# Altium PCB Main_Board.PcbDoc (part 18 of 19) (continued)
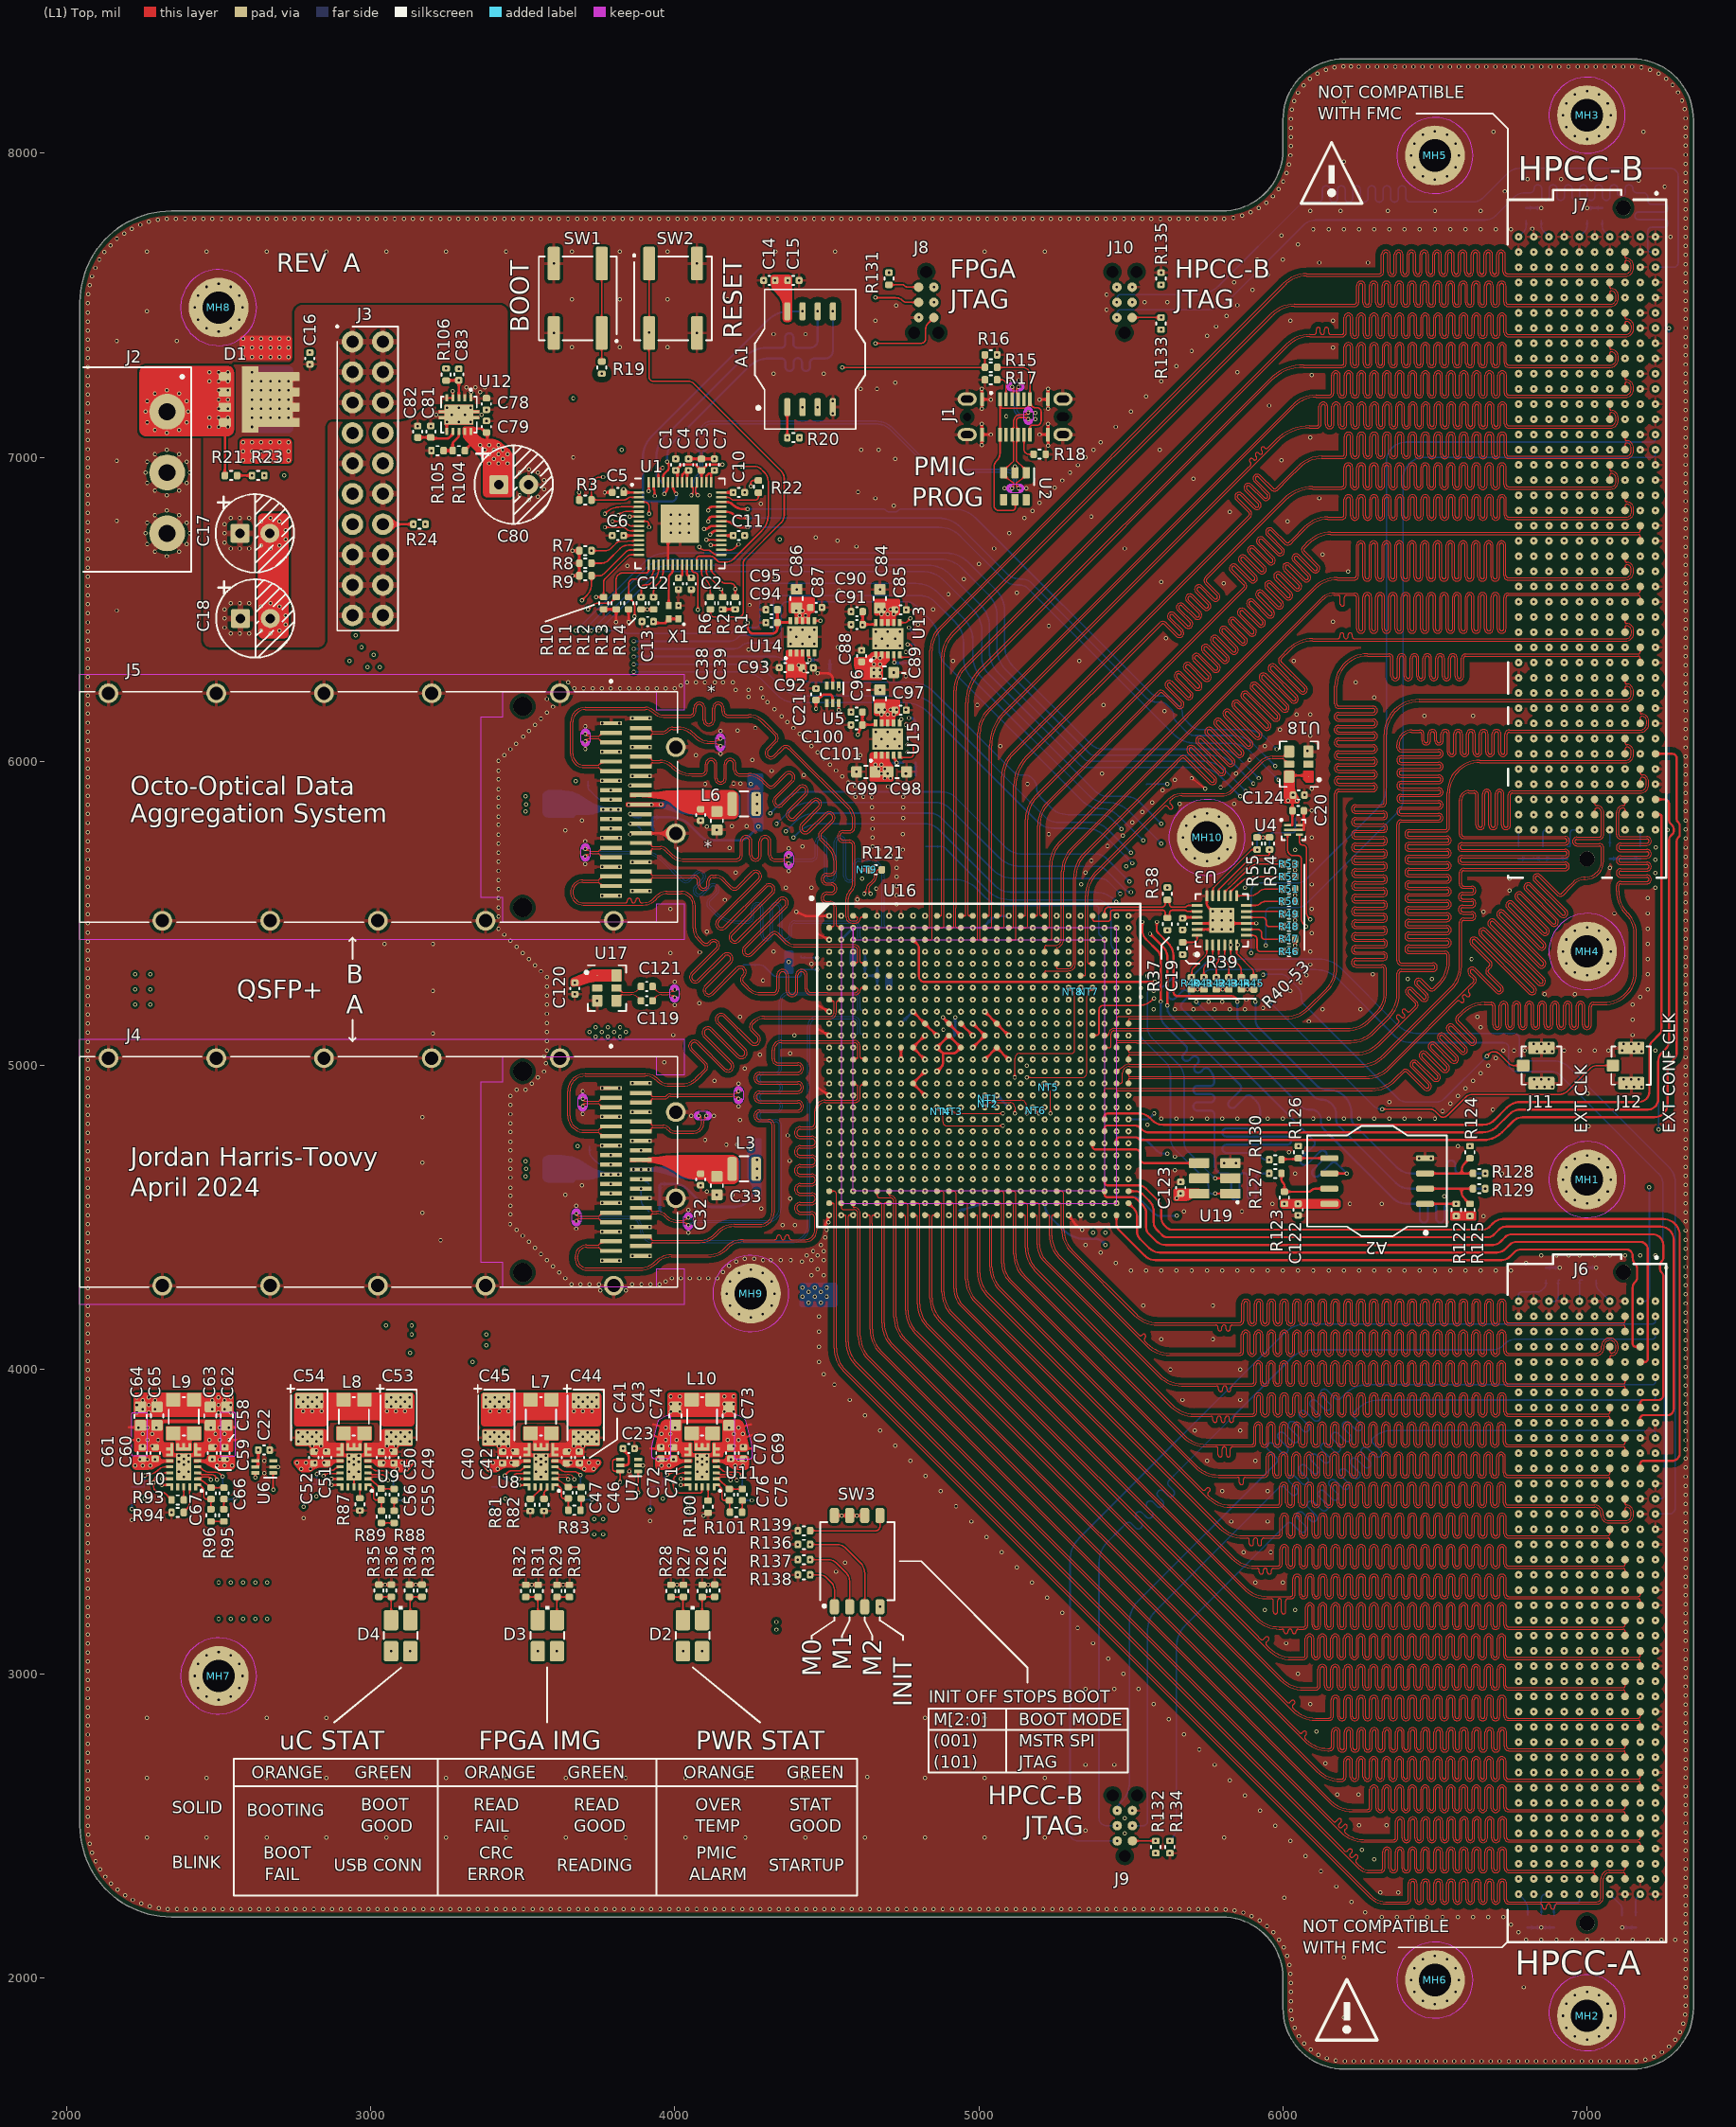
[diagram p0: (L1) Top view]
## Nets (pads, with @x,y where several pads share a name; then routed paths per layer and width w, separated by ;. In a path a pad name is that pad's centre, name@x,y a point inside that pad or via, vN(x,y) a via of type N, cw(c..) or ccw(c..) an arc to the next point about the centre after c; other vN are vias at no path point) (continued)
  (L1) Top w4: v1(3035.49,3635.89) ccw(c3024.83,3635.89) 3024.83,3646.55 3006.07,3646.55 ccw(c3006.07,3640.12) 3001.53,3644.67 ccw(c3002.65,3643.55) 3001.07,3643.55 2999.61,3642.09 cw(c2996.08,3645.62) 2996.08,3640.63 U9.2@2991.26,3640.63 3001.07,3637.71 3028.04,3614.3 C56.2@3034.73,3608.79 ccw(c3035.73,3608.79) 3035.73,3607.79 C55.2@3077.15,3607.79
  (L5) Inner 4 w3.5: v1(4045,3533) cw(c4064.8,3513.2) 4064.8,3541.2 4328.58,3541.2 ccw(c4328.58,3650) 4405.51,3573.07 5091.07,4258.62 ccw(c5014.13,4335.55) 5122.93,4335.55 5122.93,4573.55 ccw(c5121.48,4573.55) 5121.48,4575 5121.48,4746.25 ccw(c5100.28,4746.25) 5100.28,4767.45 5091.55,4767.45 cw(c5091.55,4780) 5079,4780 v1(5079,4802)
  (L8) Inner 7 w3.5: 3088,3045 4130,3045 ccw(c4130,3065) 4150,3065 4150,3520 ccw(c4129.9,3520) 4129.9,3540.1 4062.14,3540.1 ccw(c4062.14,3515.86) v1(4045,3533)
  (L8) Inner 7 w4: v1(3035.49,3635.89) ccw(c3021.58,3649.8) 3041.26,3649.8 3041.26,3654.74 ccw(c3031,3654.74) 3031,3665 3023,3665 ccw(c3023,3654) 3012,3654 3012,3072 ccw(c3039,3072) 3039,3045 3088,3045
VSEN_1V8_P: NT3.1 U9.3 | length 4708.5
  (L1) Top w3.5: NT3.1@4913.95,4849.05 ccw(c4930.97,4866.07) 4930.97,4842 v1(5079,4842)
  (L1) Top w4: U9.3@2991.26,3660.32 2996.08,3660.32 cw(c2996.08,3655.33) 2999.61,3658.86 3001.07,3657.39 ccw(c3002.65,3657.39) 3001.53,3656.28 ccw(c3006.07,3660.82) 3006.07,3654.4 3035.76,3654.4 cw(c3035.76,3635.89) 3054.27,3635.89 v1(3056.32,3635.89)
  (L5) Inner 4 w3.5: v1(4045,3556) ccw(c4059.49,3570.49) 4059.49,3550 4328.58,3550 ccw(c4328.58,3650) 4399.29,3579.29 5084.84,4264.84 ccw(c5014.13,4335.55) 5114.13,4335.55 5114.13,4745.87 ccw(c5100,4745.87) 5100,4760 5059.24,4760 5059.24,4760.13 cw(c5059.24,4779.37) 5040,4779.37 5040,4825 cw(c5057,4825) 5057,4842 v1(5079,4842)
  (L8) Inner 7 w3.5: 3091.85,3036.2 4130,3036.2 ccw(c4130,3065) 4158.8,3065 4158.8,3520 ccw(c4129.9,3520) 4129.9,3548.9 4062.14,3548.9 cw(c4062.14,3573.14) v1(4045,3556)
  (L8) Inner 7 w4: v1(3056.32,3635.89) cw(c3070.23,3649.8) 3050.56,3649.8 3050.56,3654.74 ccw(c3031,3654.74) 3031,3674.3 3023,3674.3 ccw(c3023,3654) 3002.7,3654 3002.7,3072 ccw(c3039,3072) 3039,3035.7 3039,3036.2 3091.85,3036.2
VSEN_2V5_N: C66.2 C67.2 NT6.1 U10.2 | length 4600.1
  (L1) Top w3.5: NT6.1@5187.93,4851.53 5197.26,4842.2 v1(5197.43,4842.2) ; v1@5197.82,4842 v1@5198,4842
  (L1) Top w4: v1(2474.22,3637.89) ccw(c2465.56,3637.89) 2465.56,3646.55 2446.07,3646.55 ccw(c2446.07,3640.12) 2441.53,3644.67 ccw(c2442.65,3643.55) 2441.07,3643.55 2439.61,3642.09 cw(c2436.08,3645.62) 2436.08,3640.63 U10.2@2431.26,3640.63 2441.07,3637.71 2468.53,3617.3 C67.2@2475.22,3611.79 C66.2@2517.63,3611.79
  (L5) Inner 4 w3.5: 2450,3503.4 2450,3270 ccw(c2480,3270) 2480,3240 4560,3240 ccw(c4560,3301.2) 4621.2,3301.2 4621.2,3574.61 cw(c4685.39,3574.61) 4640,3620 5162.37,4142.37 ccw(c5091.66,4213.08) 5191.66,4213.08 5191.66,4575.43 cw(c5192.99,4575.43) 5192.99,4576.76 5192.99,4766.78 5192.87,4766.78 5192.87,4809.86 cw(c5200.14,4809.86) 5195,4815 ccw(c5189.15,4820.85) 5197.43,4820.85 v1(5197.43,4842.2)
  (L5) Inner 4 w4: 2450,3503.4 2450,3655 cw(c2460,3655) 2460,3665 2470,3665 cw(c2470,3655.02) 2479.98,3655.02 2479.98,3650 cw(c2464.66,3650) 2475.5,3639.17 v1(2474.22,3637.89)
VSEN_2V5_P: NT5.1 U10.3 | length 4680.6
  (L1) Top w3.5: NT5.1@5228.95,4928.05 5229,4928 cw(c5213.49,4912.49) 5235.43,4912.49 v1(5235.43,4842.2)
  (L1) Top w4: U10.3@2431.26,3660.32 2436.08,3660.32 cw(c2436.08,3655.33) 2439.61,3658.86 2441.07,3657.39 ccw(c2442.65,3657.39) 2441.53,3656.28 ccw(c2446.07,3660.82) 2446.07,3654.4 2476.49,3654.4 cw(c2476.49,3637.89) 2493,3637.89 v1(2495.05,3637.89)
  (L5) Inner 4 w3.5: 2440.7,3507.05 2441.2,3507.05 2441.2,3270 ccw(c2480,3270) 2480,3231.2 4560,3231.2 ccw(c4560,3301.2) 4630,3301.2 4630,3574.61 cw(c4685.39,3574.61) 4646.22,3613.78 5168.59,4136.15 ccw(c5091.66,4213.08) 5200.46,4213.08 5200.46,4781.86 cw(c5220.6,4781.86) 5220.6,4802 5224,4802 ccw(c5224,4813.43) 5235.43,4813.43 v1(5235.43,4842.2)
  (L5) Inner 4 w4: 2440.7,3507.05 2440.7,3655 cw(c2460,3655) 2460,3674.3 2470,3674.3 cw(c2470,3655.02) 2489.28,3655.02 2489.28,3650 ccw(c2504.6,3650) 2493.76,3639.17 v1(2495.05,3637.89)
VSEN_3V3_N: C75.2 C76.2 NT8.1 U11.2 | length 3803
  (L1) Top w3.5: v1(5118,4961) 5118,5023 cw(c5135,5023) 5135,5040 5305,5040 ccw(c5305,5050) 5315,5050 5315,5226.1 ccw(c5291.1,5226.1) NT8.1@5308,5243
  (L1) Top w4: C76.2@4179.51,3607.89 4173.04,3612.8 4146.07,3637.71 U11.2@4136.26,3640.63 4141.08,3640.63 ccw(c4141.08,3645.62) 4144.61,3642.09 4146.07,3643.55 cw(c4147.65,3643.55) 4146.53,3644.67 cw(c4151.07,3640.12) 4151.07,3646.55 4172.85,3646.55 cw(c4172.85,3635.89) v1(4183.51,3635.89) ; C76.2@4179.73,3607.29 C75.2@4222.15,3607.29
  (L5) Inner 4 w3.5: v1(4334,3170) ccw(c4358.14,3194.14) 4358.14,3160 4660,3160 ccw(c4660,3211.2) 4711.2,3211.2 4711.2,3574.61 cw(c4775.39,3574.61) 4730,3620 5240.86,4130.86 ccw(c5170.15,4201.57) 5270.15,4201.57 5270.15,4614.94 5270.21,4615 5271.6,4615 5271.6,4866.74 ccw(c5260.31,4866.74) 5260.31,4878.04 5172.6,4878.04 cw(c5172.6,4897) 5153.64,4897 5153.64,4900.89 ccw(c5134.53,4900.89) 5134.53,4920 5134,4920 cw(c5134,4936) 5118,4936 v1(5118,4961)
  (L8) Inner 7 w3.5: 4300.18,3161.9 4315,3161.9 ccw(c4315,3188.21) 4333.61,3169.61 v1(4334,3170)
  (L8) Inner 7 w4: v1(4183.51,3635.89) ccw(c4169.6,3649.8) 4189.27,3649.8 4189.27,3651.73 ccw(c4180,3651.73) 4180,3661 4172,3661 ccw(c4172,3652) 4163,3652 4163,3636 ccw(c4196.8,3636) 4172.9,3612.1 4208.2,3576.8 cw(c4181.4,3550) 4219.3,3550 4219.3,3187.7 ccw(c4245,3187.7) 4245,3162 4265,3162 4265,3161.9 4300.18,3161.9
VSEN_3V3_P: NT7.1 U11.3 | length 3773.2
  (L1) Top w3.5: v1(5157,4961) 5341,4961 ccw(c5341,4975) 5355,4975 5355,5226.1 cw(c5378.9,5226.1) NT7.1@5362,5243
  (L1) Top w4: U11.3@4136.26,3660.32 4141.08,3660.32 cw(c4141.08,3655.33) 4144.61,3658.86 4146.07,3657.39 ccw(c4147.65,3657.39) 4146.53,3656.28 ccw(c4151.07,3660.82) 4151.07,3654.4 4183.78,3654.4 cw(c4183.78,3635.89) 4202.29,3635.89 v1(4204.34,3635.89)
  (L5) Inner 4 w3.5: v1(4334,3145) cw(c4348.97,3130.03) 4348.97,3151.2 4660,3151.2 ccw(c4660,3211.2) 4720,3211.2 4720,3574.61 cw(c4775.39,3574.61) 4736.22,3613.78 5247.09,4124.64 ccw(c5170.15,4201.57) 5278.95,4201.57 5278.95,4866.74 ccw(c5260.31,4866.74) 5260.31,4885.39 5172.77,4885.39 cw(c5172.77,4896.74) 5161.41,4896.74 5161.41,4923.17 ccw(c5153.17,4923.17) 5159,4929 cw(c5163.83,4933.83) 5157,4933.83 v1(5157,4961)
  (L8) Inner 7 w3.5: 4304.04,3153.1 4315,3153.1 cw(c4315,3126.79) 4333.61,3145.39 v1(4334,3145)
  (L8) Inner 7 w4: v1(4204.34,3635.89) cw(c4218.25,3649.8) 4198.57,3649.8 4198.57,3651.73 ccw(c4180,3651.73) 4180,3670.3 4172,3670.3 ccw(c4172,3652) 4153.7,3652 4153.7,3636 ccw(c4196.8,3636) 4166.32,3605.52 4201.62,3570.23 cw(c4181.4,3550) 4210,3550 4210,3187.7 ccw(c4245,3187.7) 4245,3152.7 4265,3152.7 4265,3153.1 4304.04,3153.1
pads on no net: J1.0 J1.A8 J1.B8 J3.7 J3.8 J4. J5. J6. J7. J8.0 J9.0 J10.0 U1.21 U2.4 U2.6 U5.3 U6.3 U7.3 U8.14 U9.14 U10.14 U11.14 U14.5 U16.D5 U16.D6 U16.F5 U16.F6 U16.K5 U16.K6 U17.2 U18.2 U19.5

## Polygon pours and split planes (outlines as drawn)
GND on (L1) Top "GND_L01_P002" (solid, remove dead copper, pour order 2): 2344,2200 cw(c2344,2500) 2044,2500 2044,4213 2044,7510 cw(c2344,7510) 2344,7810 5800,7810 ccw(c5800,8010) 6000,8010 6000,8110 cw(c6200,8110) 6200,8310 7150,8310 cw(c7150,8110) 7350,8110 7350,1900 cw(c7150,1900) 7150,1700 6200,1700 cw(c6200,1900) 6000,1900 6000,2000 ccw(c5800,2000) 5800,2200
5V0 on (L1) Top "5V0_L01_P001" (solid, pour order 1): 2475.05,6375 2825,6375 ccw(c2825,6400) 2850,6400 2850,7100 cw(c2875,7100) 2875,7125 3089.64,7125 ccw(c3089.64,7210.35) 3150,7150 cw(c3210.35,7089.66) 3210.36,7175 3425,7175 ccw(c3425,7200) 3450,7200 3450,7475 ccw(c3425,7475) 3425,7500 2775,7500 ccw(c2775,7475) 2750,7475 2750,7325 cw(c2727.5,7327.5) 2725,7305 2480,7305 ccw(c2480,7275) 2450,7275 2450,6400.06 ccw(c2475.05,6400.06)
GND on (L8) Inner 7 "GND_L08_P043" (solid, remove dead copper, pour order 43): 2344,2200 cw(c2344,2500) 2044,2500 2044,4213 2044,7510 cw(c2344,7510) 2344,7810 5800,7810 ccw(c5800,8010) 6000,8010 6000,8110 cw(c6200,8110) 6200,8310 7150,8310 cw(c7150,8110) 7350,8110 7350,1900 cw(c7150,1900) 7150,1700 6200,1700 cw(c6200,1900) 6000,1900 6000,2000 ccw(c5800,2000) 5800,2200
3V3 on (L8) Inner 7 "3V3_L08_P010" (solid, pour order 10): 3720,5050 4171.78,5050 cw(c4171.78,4980.39) 4230.52,5017.76 4261.56,4968.97 cw(c4162.09,4905.66) 4280,4905.66 4280,4853.8 cw(c4207.85,4853.79) 4254.04,4798.36 4244.08,4790.07 ccw(c4286.93,4738.65) 4220,4738.65 4220,4590 ccw(c4250,4590) 4250,4560 4360,4560 ccw(c4360,4600) 4400,4600 4400,5110 ccw(c4340,5110) 4340,5170 3720,5170 ccw(c3720,5140) 3690,5140 3690,5080 ccw(c3720,5080)
GND on (L12) Bottom "GND_L12_P024" (solid, remove dead copper, pour order 24): 2344,2200 cw(c2344,2500) 2044,2500 2044,4213 2044,7510 cw(c2344,7510) 2344,7810 5800,7810 ccw(c5800,8010) 6000,8010 6000,8110 cw(c6200,8110) 6200,8310 7150,8310 cw(c7150,8110) 7350,8110 7350,1900 cw(c7150,1900) 7150,1700 6200,1700 cw(c6200,1900) 6000,1900 6000,2000 ccw(c5800,2000) 5800,2200
3V3 on (L12) Bottom "3V3_L12_P022" (solid, pour order 22): 5270,5505 5345,5505 5345,5425 5505,5425 5505,5245 5270,5245
3V3 on (L12) Bottom "3V3_L12_P021" (solid, pour order 21): 5240,4880 5240,4505 ccw(c5250,4505) 5250,4495 5500,4495 ccw(c5500,4505) 5510,4505 5510,4640 ccw(c5505,4640) 5505,4645 5445,4645 cw(c5445,4650) 5440,4650 5440,4880 ccw(c5435,4880) 5435,4885 5245,4885 ccw(c5245,4880)
2V5 on (L12) Bottom "2V5_L12_P020" (solid, pour order 20): 4770,5215 4770,5500 cw(c4780,5500) 4780,5510 4920.01,5510 cw(c4920.02,5500.02) 4930,5500.01 4930,5475 ccw(c4940,5475) 4940,5465 5185,5465 cw(c5185.01,5455.01) 5195,5455 5195,5355 ccw(c5200,5355) 5200,5350 5265,5350 cw(c5265,5345) 5270,5345 5270,5160 ccw(c5275,5160) 5275,5155 5500,5155 cw(c5500,5150) 5505,5150 5505,4895 cw(c5495.01,4894.99) 5495,4885 5080,4885 cw(c5080,4895) 5070,4895 5070,5200 ccw(c5062,5200) 5062,5208 4777,5208 cw(c4777,5215)
1V8 on (L12) Bottom "1V8_L12_P015" (solid, pour order 15): 4915,5005 4780,5005 ccw(c4780,4995) 4770,4995 4770,4890 cw(c4760,4890) 4760,4880 4585,4880 ccw(c4585,4870) 4575,4870 4575,4735 cw(c4565,4735) 4565,4725 4500,4725 ccw(c4500,4715) 4490,4715 4490,4505 ccw(c4500,4505) 4500,4495 5230,4495 ccw(c5230,4505) 5240,4505 5240,4670 ccw(c5230,4670) 5230,4680 5165,4680 cw(c5165,4690) 5155,4690 5155,4790 ccw(c5145,4790) 5145,4800 5100,4800 ccw(c5100,4790) 5090,4790 5090,4770 cw(c5080,4770) 5080,4760 4935,4760 cw(c4935,4770) 4925,4770 4925,4995 ccw(c4915,4995)
1V0 on (L12) Bottom "1V0_L12_P000" (solid, pour order 0): 4770,5200 4770,5015 ccw(c4780,5015) 4780,5005 4915,5005 cw(c4915,4995) 4925,4995 4925,4855 ccw(c4935,4855) 4935,4845 5060,4845 ccw(c5060,4855) 5070,4855 5070,5200 ccw(c5062,5200) 5062,5208 4778,5208 ccw(c4778,5200)
GND on (L12) Bottom "GND_L12_P025" (solid, pour order 25): 5155,4690 5155,4790 ccw(c5145,4790) 5145,4800 5100,4800 ccw(c5100,4790) 5090,4790 5090,4770 cw(c5080,4770) 5080,4760 4925,4760 4925,4835 cw(c4935,4835) 4935,4845 5060,4845 ccw(c5060,4855) 5070,4855 5070,4875 cw(c5080,4875) 5080,4885 5230,4885 cw(c5230,4875) 5240,4875 5240,4690 cw(c5230,4690) 5230,4680 5165,4680 cw(c5165,4690)
3V3 on (L12) Bottom "3V3_L12_P019" (solid, pour order 19): 4770,4890 4770,5100 ccw(c4760,5100) 4760,5110 4730,5110 ccw(c4730,5100) 4720,5100 4720,5050 cw(c4710,5050) 4710,5040 4645,5040 ccw(c4645,5030) 4635,5030 4635,4890 ccw(c4645,4890) 4645,4880 4760,4880 ccw(c4760,4890)
5V0 on (L12) Bottom "5V0_L12_P023" (solid, pour order 23): 2475.05,6375 2825,6375 ccw(c2825,6400) 2850,6400 2850,7100 cw(c2875,7100) 2875,7125 3089.64,7125 ccw(c3089.64,7210.35) 3150,7150 cw(c3210.35,7089.66) 3210.36,7175 3425,7175 ccw(c3425,7200) 3450,7200 3450,7475 ccw(c3425,7475) 3425,7500 2775,7500 ccw(c2775,7475) 2750,7475 2750,7325 cw(c2727.5,7327.5) 2725,7305 2480,7305 ccw(c2480,7275) 2450,7275 2450,6400.06 ccw(c2475.05,6400.06)
GND on (L2) Inner 1 "GND_L02_P003" (solid, remove dead copper, pour order 3): 2344,2200 cw(c2344,2500) 2044,2500 2044,4213 2044,7510 cw(c2344,7510) 2344,7810 5800,7810 ccw(c5800,8010) 6000,8010 6000,8110 cw(c6200,8110) 6200,8310 7150,8310 cw(c7150,8110) 7350,8110 7350,1900 cw(c7150,1900) 7150,1700 6200,1700 cw(c6200,1900) 6000,1900 6000,2000 ccw(c5800,2000) 5800,2200
GND on (L10) Inner 9 "GND_L10_P016" (solid, remove dead copper, pour order 16): 2344,2200 cw(c2344,2500) 2044,2500 2044,4213 2044,7510 cw(c2344,7510) 2344,7810 5800,7810 ccw(c5800,8010) 6000,8010 6000,8110 cw(c6200,8110) 6200,8310 7150,8310 cw(c7150,8110) 7350,8110 7350,1900 cw(c7150,1900) 7150,1700 6200,1700 cw(c6200,1900) 6000,1900 6000,2000 ccw(c5800,2000) 5800,2200
5V0 on (L10) Inner 9 "5V0_L10_P012" (solid, pour order 12): 3120,7405 3120,7020 cw(c3075,7020) 3075,6975 2875,6975 ccw(c2875,6866.32) 2766.32,6866.32 2766.32,6476.48 cw(c2633.19,6476.47) 2727.32,6382.32 2705.36,6360.36 ccw(c2851.05,6214.65) 2645,6214.64 2645,3950 ccw(c2770,3950) 2770,3825 4220,3825 cw(c4220,3775) 4270,3775 4270,3525 cw(c4220.01,3524.99) 4220,3475 2195,3475 cw(c2195,3525) 2145,3525 2145,3675 cw(c2315.71,3675) 2161.67,3748.57 ccw(c2084.71,3785.34) 2170,3785.36 2170,6332.6 cw(c2393.07,6332.6) 2235.34,6490.34 2393.18,6648.18 ccw(c2268.08,6773.28) 2445,6773.28 2445,7020 cw(c2500,7020) 2500,7075 ccw(c2500,7120) 2545,7120 2545,7237.93 cw(c2634.5,7237.93) 2571.21,7301.21 2673.79,7403.79 cw(c2785.35,7292.22) 2785.36,7450 3075,7450 cw(c3075,7405)
5V0 on (L11) Inner 10 "5V0_L11_P017" (solid, pour order 17): 3120,7405 3120,7020 3120.01,5875 3120.03,3979.97 ccw(c3275,3979.97) 3275,3825 4220,3825 cw(c4220.01,3775.01) 4270,3775 4270,3525 cw(c4220.01,3524.99) 4220,3475 2195,3475 cw(c2195,3525) 2145,3525 2145,3675 cw(c2315.71,3675) 2161.67,3748.57 ccw(c2084.76,3785.33) 2170,3785.36 2170,6332.6 cw(c2393.07,6332.6) 2235.34,6490.34 2393.18,6648.18 ccw(c2268.08,6773.28) 2445,6773.28 2445,7020 cw(c2500,7020) 2500,7075 ccw(c2500,7120) 2545,7120 2545,7237.93 cw(c2634.5,7237.93) 2571.21,7301.21 2673.79,7403.79 cw(c2785.35,7292.23) 2785.36,7450 3075,7450 cw(c3075,7405)
GND on (L11) Inner 10 "GND_L11_P018" (solid, remove dead copper, pour order 18): 2344,2200 cw(c2344,2500) 2044,2500 2044,4213 2044,7510 cw(c2344,7510) 2344,7810 5800,7810 ccw(c5800,8010) 6000,8010 6000,8110 cw(c6200,8110) 6200,8310 7150,8310 cw(c7150,8110) 7350,8110 7350,1900 cw(c7150,1900) 7150,1700 6200,1700 cw(c6200,1900) 6000,1900 6000,2000 ccw(c5800,2000) 5800,2200
GND on (L11) Inner 10 "GND_L11_P013" (solid, pour order 13): 3025,6925 2850,6925 ccw(c2850,6875) 2800,6875 2800,6445.71 cw(c2689.65,6445.71) 2767.68,6367.68 ccw(c2870.71,6264.65) 2725,6264.64 2725,6150 ccw(c2800,6150) 2800,6075 3350,6075 ccw(c3350,6125) 3400,6125 3400,6214.64 ccw(c3385.36,6214.65) 3375,6225 3367.68,6217.68 cw(c3264.65,6320.7) 3264.64,6175 2875,6175 cw(c2875,6225) 2825,6225 cw(c2945.71,6225) 2860.36,6310.36 ccw(c2764.65,6406.06) 2900,6406.07 2900,6675 cw(c2950,6675) 2950,6725 3000,6725 ccw(c3000,6775) 3050,6775 3050,6900 ccw(c3025,6900)
GND on (L3) Inner 2 "GND_L03_P050" (solid, remove dead copper, pour order 50): 2344,2200 cw(c2344,2500) 2044,2500 2044,4213 2044,7510 cw(c2344,7510) 2344,7810 5800,7810 ccw(c5800,8010) 6000,8010 6000,8110 cw(c6200,8110) 6200,8310 7150,8310 cw(c7150,8110) 7350,8110 7350,1900 cw(c7150,1900) 7150,1700 6200,1700 cw(c6200,1900) 6000,1900 6000,2000 ccw(c5800,2000) 5800,2200
3V3 on (L3) Inner 2 "NONET_L06_P-001" (solid, pour order 49): 3494.39,5896.44 3528.9,5935.89 cw(c3582.04,5889.4) 3582.04,5960 3670,5960 cw(c3670,5940) 3690,5940 3690,5930 cw(c3670,5930) 3670,5910 3622.43,5910 ccw(c3622.42,5855.87) 3584.14,5894.14 ccw(c3642.42,5835.86) 3560,5835.86 3560,5830 3490,5830 3484.28,5858.58 cw(c3527.73,5867.27)
3V3 on (L3) Inner 2 "NONET_L06_P-001" (solid, pour order 42): 3690,5080 ccw(c3417.53,5080) 3678.51,5158.31 3500.11,5752.95 cw(c3956.94,5890) 3480,5890 cw(c3500,5890) 3500,5910 3540,5910 cw(c3540,5890) 3560,5890 ccw(c3869.24,5890) 3582.44,5774.35 3800.75,5232.95 ccw(c3874.99,5262.88) 3830.59,5196.28 cw(c3781.49,5122.63) 3870,5122.63 3870,5080
3V3 on (L3) Inner 2 "3V3_L03_P004" (solid, pour order 4): 3690,5130 3690,5072.11 cw(c3537.33,5072.11) 3658.14,4978.76 3520,4800 ccw(c3718.16,4667.89) 3480,4667.89 3480,4610 ccw(c3500,4610) 3500,4590 3541.31,4590 ccw(c3541.31,4624.91) 3570.36,4605.55 3612.26,4668.4 cw(c3690,4616.57) 3690,4710 ccw(c3690,4720) 3700,4720 3700,4750 ccw(c3680,4750) 3680,4770 3670,4770 cw(c3670,4790) 3650,4790 3650,4831.09 cw(c3762.51,4831.09) 3674.04,4900.6 3760,5010 cw(c3816.05,4972.63) 3816.06,5040 3840,5040 ccw(c3840,5070) 3870,5070 3870,5130 ccw(c3840,5130) 3840,5160 3720,5160 ccw(c3720,5130)
GND on (L5) Inner 4 "GND_L05_P047" (solid, remove dead copper, pour order 47): 2344,2200 cw(c2344,2500) 2044,2500 2044,4213 2044,7510 cw(c2344,7510) 2344,7810 5800,7810 ccw(c5800,8010) 6000,8010 6000,8110 cw(c6200,8110) 6200,8310 7150,8310 cw(c7150,8110) 7350,8110 7350,1900 cw(c7150,1900) 7150,1700 6200,1700 cw(c6200,1900) 6000,1900 6000,2000 ccw(c5800,2000) 5800,2200
3V3AUX on (L5) Inner 4 "3V3AUX_L05_P046" (solid, pour order 46): 3150,6842.43 3150,7260 cw(c3215,7260) 3215,7325 3856.15,7325 ccw(c3856.15,7602.22) 4024.55,7382.01 4316.16,7605 cw(c4449.07,7431.19) 4449.08,7650 4912.81,7650 cw(c4912.81,7400.7) 5068.19,7595.66 6539.57,6423.15 cw(c6439.64,6297.74) 6600,6297.73 6600,3912.64 cw(c6358.61,3912.63) 6543.78,3757.77 5921.23,3013.32 cw(c5788.59,3124.24) 5788.72,2951.33 2281.41,2948.61 cw(c2281.37,3004.97) 2225,3004.97 2225,3715 cw(c2260,3715) 2260,3750 5303.03,3750 ccw(c5303.03,4015.19) 5504.38,3842.61 5779.56,4163.66 ccw(c5478.58,4421.64) 5875,4421.65 5875,5747.97 ccw(c5763.93,5747.98) 5835.03,5833.31 5789.57,5871.19 ccw(c5640.95,5692.86) 5640.95,5925 4515,5925 cw(c4515,5990) 4450,5990 4450,6205.82 cw(c4587.87,6205.82) 4475.68,6285.95 4525.34,6355.48 ccw(c4443.27,6414.1) 4514.59,6485.41 4450,6550 ccw(c4400,6500) 4350,6550 4241.21,6441.21 cw(c4141.72,6540.71) 4141.72,6400 3592.43,6400 cw(c3592.43,6623.14) 3434.64,6465.36 3215.36,6684.64 cw(c3373.14,6842.43)
2V5 on (L5) Inner 4 "2V5_L05_P029" (solid, pour order 29): 2150,3850 2150,4876.7 cw(c2294.26,4876.7) 2222.14,5001.64 3311.01,5630.18 cw(c3459.65,5372.68) 3459.65,5670 5370,5670 cw(c5370,5637.48) 5402.53,5637.47 5402.53,5212.47 ccw(c5440,5212.47) 5440,5175 5485,5175 cw(c5485,5150.01) 5510,5150 5510,4910 cw(c5480.01,4909.99) 5480,4880 5140,4880 cw(c5140,4910) 5110,4910 5110,5170 ccw(c5085,5170) 5085,5195 4771.01,5195 ccw(c4770.98,5012.23) 4672.02,5165.89 2900,4025 2639.33,3857.42 cw(c2511.91,4055.61) 2511.9,3820 2180,3820 cw(c2180,3850)
1V0 on (L5) Inner 4 "1V0_L05_P028" (solid, pour order 28): 3335,3810 3845,3810 ccw(c3845,3840) 3875,3840 cw(c3959.5,3840) 3899.75,3899.75 3929.39,3929.39 cw(c3979.14,3879.65) 3979.14,3950 4571.47,3950 ccw(c4571.47,4092.17) 4659.04,3980.18 5063.54,4296.49 ccw(c5021.09,4350.77) 5090,4350.77 5090,5160 ccw(c5065,5160) 5065,5185 4785.66,5185 ccw(c4785.65,5009.37) 4690.02,5156.68 3331.04,4274.53 ccw(c3368.14,4217.38) 3300,4217.38 3300,3845 ccw(c3335,3845)
2V5 on (L5) Inner 4 "2V5_L05_P045" (solid, pour order 45): 4100,5660 ccw(c4100,5710) 4150,5710 4150,6256.51 cw(c4228.66,6256.51) 4174.14,6313.21 4400.16,6530.54 cw(c4408.97,6521.38) 4418.73,6529.52 4450.34,6491.59 cw(c4437.23,6480.67) 4449.68,6468.99 4352.27,6365.09 ccw(c4468.85,6255.79) 4309.06,6258.21 4300.61,5700 ccw(c4340,5699.4) 4340,5660 4340,5630 4100,5630
1V1RP2040 on (L5) Inner 4 "1V1RP2040_L05_P044" (solid, pour order 44): 3980,6970 3980,6713.03 ccw(c4089.08,6713.03) 3998.32,6652.52 4034.45,6598.32 ccw(c4050,6608.68) 4050,6590 4060,6590 ccw(c4060,6605.38) 4074.06,6599.14 4091.24,6637.78 ccw(c3896.63,6724.28) 4109.59,6726.2 4108.85,6809.57 cw(c4232.11,6810.67) 4131.7,6882.17 4171.07,6937.46 ccw(c4131.84,6965.39) 4180,6965.39 4180,6990 4155,6990 ccw(c4155,6980) 4145,6980 4145,6975 cw(c4135,6975) 4135,6965 4080,6965 ccw(c4080,6950) 4065,6950 4065,6945 cw(c4050.01,6944.99) 4050,6930 cw(c4050,6950) 4030,6950 4030,6970 ccw(c4020.01,6970.01) 4020,6980 3990,6980 ccw(c3989.99,6970.01)
GND on (L6) Inner 5 "GND_L06_P048" (solid, remove dead copper, pour order 48): 2344,2200 cw(c2344,2500) 2044,2500 2044,4213 2044,7510 cw(c2344,7510) 2344,7810 5800,7810 ccw(c5800,8010) 6000,8010 6000,8110 cw(c6200,8110) 6200,8310 7150,8310 cw(c7150,8110) 7350,8110 7350,1900 cw(c7150,1900) 7150,1700 6200,1700 cw(c6200,1900) 6000,1900 6000,2000 ccw(c5800,2000) 5800,2200
1V8 on (L6) Inner 5 "1V8_L06_P039" (solid, pour order 39): 4480,6040 4880,6040 cw(c4880,6000) 4920,6000 4920,5703.85 cw(c4380.81,5703.84) 4881.43,5503.58 4838.57,5396.42 ccw(c5339.24,5196.15) 4800,5196.15 4800,4760 5040,4760 5040,4800 cw(c5040,4820.05) 5019.95,4820 5019.32,5069 cw(c5669.07,5070.64) 5063.5,5306.14 5078.25,5344.08 ccw(c4506.04,5566.61) 5120,5566.61 5120,6620 ccw(c5080,6620) 5080,6660 4480,6660 ccw(c4480,6620) 4440,6620 4440,6080 ccw(c4480,6080)
1V0_GTX on (L6) Inner 5 "1V0_GTX_L06_P034" (solid, pour order 34): 4740,6180 4740,5669.12 cw(c4144.93,5669.08) 4701.3,5457.97 4694.67,5440.51 ccw(c4833.78,5387.73) 4685,5387.72 4685,5055 ccw(c4700,5055) 4700,5040 4765,5040 ccw(c4765,5055) 4780,5055 4782.73,5275.34 cw(c4944.8,5273.33) 4800.17,5346.51 4835.5,5416.34 ccw(c4301.12,5686.69) 4900,5686.72 4900,6440 4900,6495 ccw(c4875,6495) 4875,6520 4780,6520 ccw(c4780,6500) 4760,6500 cw(c4739.78,6500) 4748.82,6481.91 4721.03,6468.01 cw(c4687.08,6535.89) 4687.08,6460 4590,6460 ccw(c4590,6430) 4560,6430 4560,6220 ccw(c4580,6220) 4580,6200 4720,6200 cw(c4720,6180)
3V3 on (L6) Inner 5 "3V3_L06_P041" (solid, pour order 41): 3880,4070.74 3880,3666.26 ccw(c3940.75,3666.26) 3924.6,3607.7 4460,3460 6159.78,3460 cw(c6159.79,3085.6) 6430.63,3344.1 6726.19,3034.47 ccw(c6760,3066.74) 6760,3020 6800,3020 ccw(c6800,3040) 6820,3040 6820,4720 ccw(c6740,4720) 6740,4800 6240,4800 cw(c6240,4880) 6160,4880 6160,6385.06 cw(c6234.93,6385.06) 6234.94,6460 6776.9,6460 ccw(c6776.9,6503.1) 6820,6503.1 6820,7600 ccw(c6800,7600) 6800,7620 4511.56,7620 ccw(c4511.56,7227.12) 4261.92,7530.49 3631.75,7011.95 ccw(c3826.48,6775.29) 3520,6775.28 3520,5171.06 ccw(c3568.23,5171.06) 3548.28,5127.15 3887.17,4973.1 ccw(c4178.5,5614.02) 4178.5,4910 4470,4910 cw(c4470,4900) 4480,4900 4780,4900 4780,5035 4485,5035 cw(c4485,5060) 4460,5060 4460,5923.43 ccw(c4371.72,5923.43) 4434.14,5985.86 cw(c4516.57,6068.28) 4400,6068.28 4400,6640 cw(c4455,6640) 4455,6695 5085,6695 cw(c5085,6630) 5150,6630 5150,5130 ccw(c5180,5130) 5180,5100 5220,5100 cw(c5220,5075) 5245,5075 5245,4505 cw(c5200.12,4504.99) 5200.12,4460.12 4466.21,4460.12 ccw(c4466.19,4208.96) 4326.46,4417.66 3921.49,4146.55 ccw(c3969.99,4070.75)
1V8 on (L6) Inner 5 "1V8_L06_P040" (solid, pour order 40): 2720,3980 2720,3219.17 ccw(c3134.59,3219.16) 2803.97,2969.02 2878.52,2870.47 ccw(c3034.13,2988.2) 3034.13,2793.08 6000.19,2793.08 cw(c6000.19,2470.73) 6238.95,2687.31 6509.65,2388.89 ccw(c6710.29,2570.9) 6710.29,2300 7220,2300 ccw(c7220,2380) 7300,2380 7300,6360 ccw(c7220,6360) 7220,6440 6800,6440 ccw(c6800,6380) 6740,6380 6740,5900 ccw(c6800,5900) 6800,5840 7020,5840 cw(c7020,5740) 7120,5740 7120,3060 cw(c7000,3060) 7000,2940 6870.77,2940 cw(c6870.77,3191.36) 6685.26,3021.75 6430.93,3299.93 ccw(c6205.26,3093.61) 6205.24,3399.38 3549.29,3399.38 cw(c3550.79,3617.07) 3396.86,3463.14 3342.43,3517.57 cw(c3541.42,3716.57) 3260,3716.57 3260,3742.92 cw(c3514.16,3742.92) 3400.5,3970.25 3420,3980
1V8 on (L6) Inner 5 "1V8_L06_P036" (solid, pour order 36): 2760,3820 3065.54,3820 ccw(c3065.54,4171.7) 3241.75,3867.33 4153.81,4395.36 cw(c4468.92,3851.08) 4468.93,4480 5200,4480 ccw(c5200,4520) 5240,4520 5240,4760 ccw(c5200,4760) 5200,4800 4980,4800 cw(c4980,4840) 4940,4840 4940,4980 ccw(c4900,4980) 4900,5020 4800,5020 ccw(c4800,4980) 4760,4980 4760,4940 cw(c4720,4940) 4720,4900 3909.47,4900 cw(c3909.47,5300.25) 3739.05,4938.1 3520.48,5040.95 ccw(c3435.27,4859.88) 3435.26,5060 ccw(c3435.26,4948.9) 3371.19,5039.66 2815.75,4647.59 ccw(c2946.18,4462.8) 2720,4462.8 2720,3860 ccw(c2760,3860)
2V5 on (L6) Inner 5 "2V5_L06_P035" (solid, pour order 35): 5075,4905 5075,5055 cw(c5090,5055) 5090,5070 5220,5070 cw(c5220,5055) 5235,5055 5235,4905 cw(c5220,4905) 5220,4890 5090,4890 cw(c5090,4905)
1V2_GTX on (L6) Inner 5 "1V2_GTX_L06_P032" (solid, pour order 32): 4730,6010 4730,5646.76 cw(c4407.83,5646.76) 4710.6,5536.66 4690,5480 ccw(c4874.86,5418.38) 4680,5418.38 4680,5070 cw(c4650,5070) 4650,5040 4510,5040 cw(c4510,5070) 4480,5070 4480,6000 cw(c4530,6000) 4530,6050 4690,6050 cw(c4690,6010)
GND on (L4) Inner 3 "GND_L04_P007" (solid, remove dead copper, pour order 7): 2344,2200 cw(c2344,2500) 2044,2500 2044,4213 2044,7510 cw(c2344,7510) 2344,7810 5800,7810 ccw(c5800,8010) 6000,8010 6000,8110 cw(c6200,8110) 6200,8310 7150,8310 cw(c7150,8110) 7350,8110 7350,1900 cw(c7150,1900) 7150,1700 6200,1700 cw(c6200,1900) 6000,1900 6000,2000 ccw(c5800,2000) 5800,2200
GND on (L7) Inner 6 "GND_L07_P009" (solid, remove dead copper, pour order 9): 2344,2200 cw(c2344,2500) 2044,2500 2044,4213 2044,7510 cw(c2344,7510) 2344,7810 5800,7810 ccw(c5800,8010) 6000,8010 6000,8110 cw(c6200,8110) 6200,8310 7150,8310 cw(c7150,8110) 7350,8110 7350,1900 cw(c7150,1900) 7150,1700 6200,1700 cw(c6200,1900) 6000,1900 6000,2000 ccw(c5800,2000) 5800,2200
GND on (L9) Inner 8 "GND_L09_P011" (solid, remove dead copper, pour order 11): 2344,2200 cw(c2344,2500) 2044,2500 2044,4213 2044,7510 cw(c2344,7510) 2344,7810 5800,7810 ccw(c5800,8010) 6000,8010 6000,8110 cw(c6200,8110) 6200,8310 7150,8310 cw(c7150,8110) 7350,8110 7350,1900 cw(c7150,1900) 7150,1700 6200,1700 cw(c6200,1900) 6000,1900 6000,2000 ccw(c5800,2000) 5800,2200